# Altium PCB core.PcbDoc (part 3 of 4)
Units mil, origin at the board's own origin, x right, y up, seen from the top; angles counter-clockwise.
Board outline 2844.68 x 1781.68 mil, 4 copper layers (Top Layer 1, Signal Layer 1, Signal Layer 2, Bottom Layer 1), stack 23.756 mil thick; 133 components, 210 nets, 844 pads, 433 vias.
Unrouted connection lines stored in the file: 3.
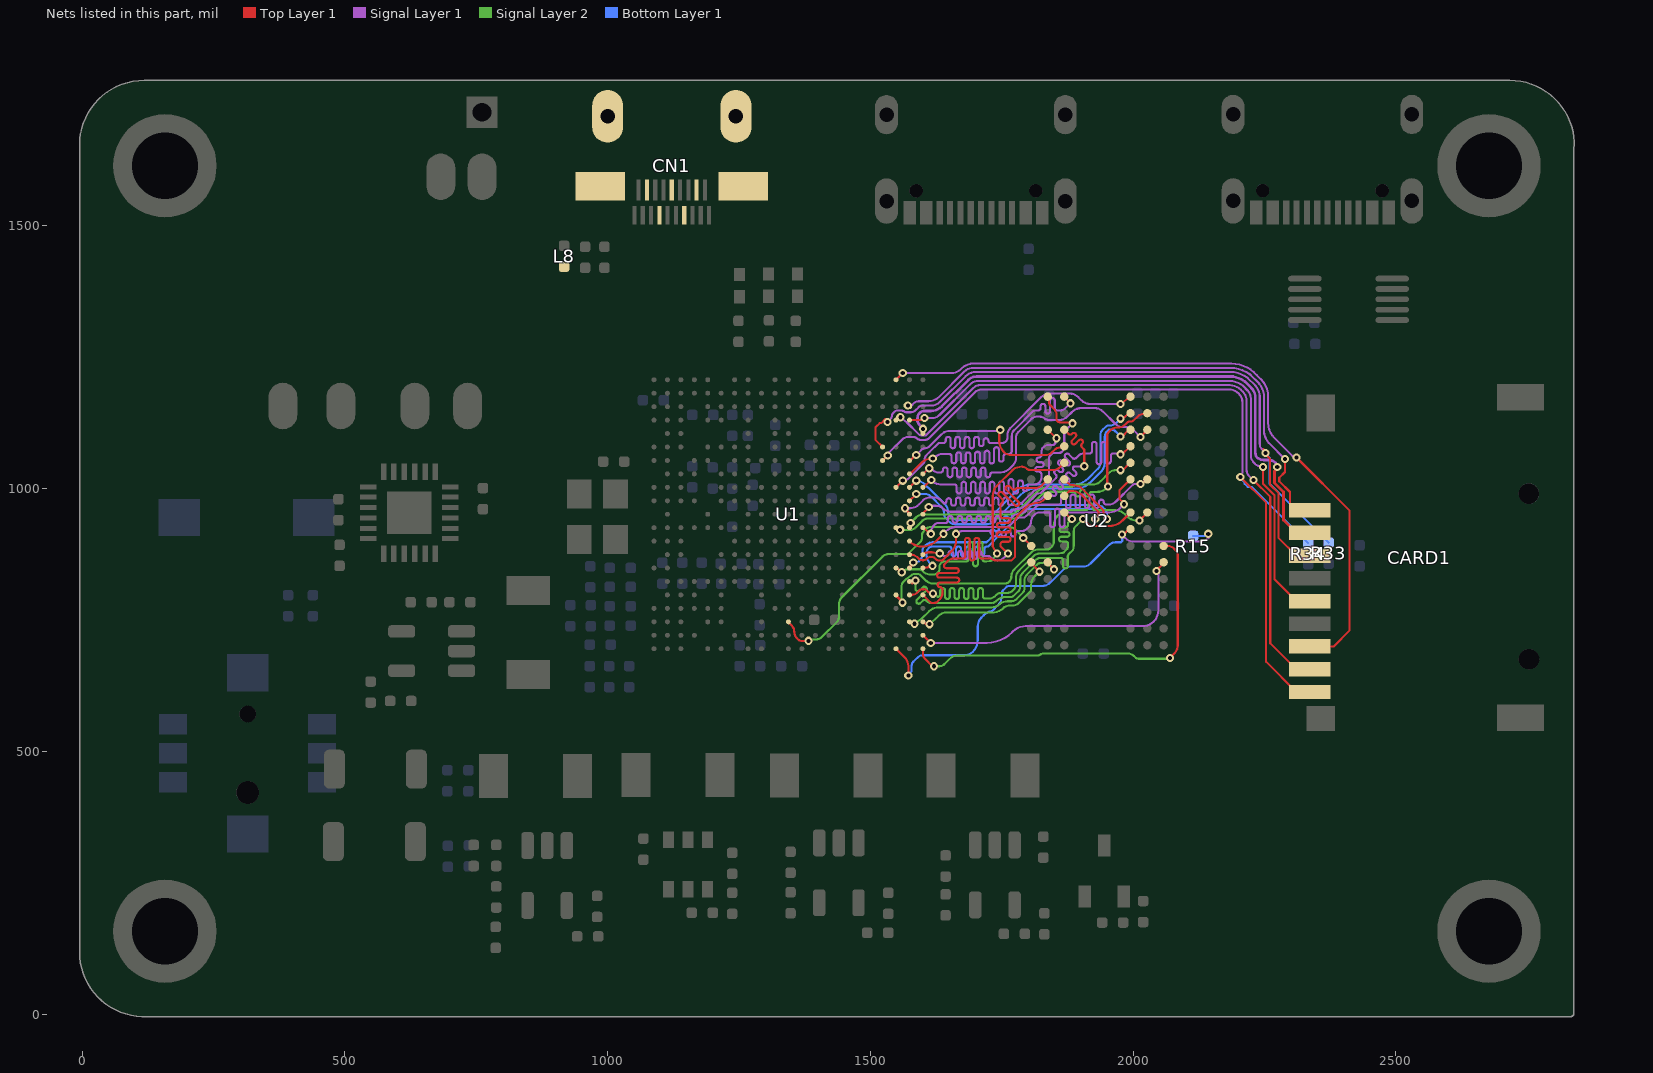
[diagram p5: the nets of this part, all layers, seen from the top]

## Via types
v1: diameter 15.75, hole 7.87, Top Layer 1 to Bottom Layer 1, tented both sides, 428 vias
v2: diameter 15.75, hole 7.87, Top Layer 1 to Bottom Layer 1, 4 vias
v3: diameter 15.75, hole 7.87, Signal Layer 1 to Signal Layer 2, tented both sides, 1 vias

## Nets (pads, with @x,y where several pads share a name; then routed paths per layer and width w, separated by ;. In a path a pad name is that pad's centre, name@x,y a point inside that pad or via, vN(x,y) a via of type N, cw(c..) or ccw(c..) an arc to the next point about the centre after c; other vN are vias at no path point) (continued)
SCK_P: R15.1 U1.AA19 U2.J7 | length 854
  Top Layer 1 w4: U1.AA19@1548.77,695.11 1565.43,678.45 cw(c1549.15,662.18) 1572.17,662.52 cw(c1549.15,662.18) 1572.17,662.18 v1(1572.31,644.18) ; v1(1978.66,912.32) 1981.67,912.32 1992,922.65 U2.J7@1995,922.65
  Signal Layer 1 w4: v1(1978.66,912.32) 1985.51,905.47 ccw(c2001.14,921.1) 2001.14,899 2127.16,899 ccw(c2127.16,922.11) 2143.5,905.77 2143.5,913.15 v1(2143,913.65)
  Bottom Layer 1 w4: v1(1572.31,644.18) cw(c1576.31,644.19) 1573.48,647.01 1578.56,652.09 1578.56,662.84 cw(c1589.03,662.84) 1581.62,670.25 1589.38,678 cw(c1600.83,666.55) 1600.83,682.75 1679.57,682.75 ccw(c1679.57,704.14) 1694.7,689.01 ccw(c1671.51,712.2) 1704.31,712.2 1704.31,737.84 cw(c1727.16,737.84) 1711,754 1715.81,758.81 cw(c1738,736.62) 1725.65,765.47 ccw(c1725.65,777.2) 1732.18,767.46 ccw(c1725.65,777.2) 1733.94,768.9 1742.62,777.58 ccw(c1724.58,795.62) 1750.09,795.62 ccw(c1746.09,795.62) 1750.09,795.7 1750,799.83 cw(c1759.35,799.83) 1750.29,802.15 cw(c1759.35,799.83) 1750.71,803.4 cw(c1759.35,799.83) 1752.73,806.43 1759.54,813.24 cw(c1764.08,806.65) 1764.08,814.65 1827.27,814.65 ccw(c1827.27,836.23) 1842.53,820.97 1865.83,844.28 cw(c1883.64,826.47) 1883.64,851.65 1905.1,851.65 ccw(c1905.1,871.26) 1918.96,857.4 1954.23,892.67 ; 1954.25,892.68 cw(c1966.29,880.6) 1966.29,897.66 1976.99,897.66 1979.33,900 1979.33,911.65 v1(1978.66,912.32) ; R15.1@2114,909.65 2135.82,909.65 2139.82,913.65 v1(2143,913.65)
SCKE0: U1.AA21 U2.K9 | length 745.1
  Top Layer 1 w4: U1.AA21@1599.95,695.11 1599.95,685.66 ccw(c1613.9,685.66) 1604.04,675.8 1617.96,661.87 v1(1621,661.87) ; U2.K9@2058,890.65 2066.11,890.65 cw(c2066.11,874.02) 2077.87,885.78 2081.55,882.11 cw(c2073.52,874.08) 2084.87,874.08 2084.87,701.15 cw(c2064.06,701.15) 2078.79,686.44 v1(2070,677.65)
  Signal Layer 2 w4: v1(1621,661.87) 1631.56,661.84 ccw(c1631.56,674.67) 1640.62,665.59 1650.9,675.86 cw(c1666.02,660.74) 1666.02,682.13 1817.35,682.13 ccw(c1817.35,694.92) 1825.88,685.38 ; 1822.02,683.01 cw(c1828.94,676.09) 1825.88,685.38 ; v1(2070,677.65) 2068.47,676.13 2010.2,676.13 cw(c2010.2,684.66) 2004.17,678.63 2001.67,681.13 ccw(c1990.2,669.66) 1990.2,685.87 1828.94,685.87 ccw(c1828.94,676.09) 1825.88,685.38
SCKE1: U1.Y21 U2.L9 | length 573.7
  Top Layer 1 w4: U1.Y21@1599.95,720.7 1600.35,720.7 1603.69,717.36 v1(1614.96,706.19) ; v1(2044.5,843) 2044.5,844.58 2058,858.08 U2.L9@2058,859.65
  Signal Layer 1 w4: v1(1614.96,706.19) 1630.79,706.36 ; 1630.83,706.36 1721.38,706.36 ccw(c1721.38,774.85) 1769.8,726.4 1771.74,728.35 cw(c1795.35,704.74) 1795.35,738.13 2018.08,738.13 ccw(c2018.08,768.05) 2039.24,746.89 ccw(c2018.08,768.05) 2048,768.05 v1@2048,839.65
SCS0: U1.W20 U2.L2 | length 357.1
  Top Layer 1 w4: U1.W20@1574.36,746.29 1575.84,746.29 v1@1578.95,743.18 ; v1@1578.98,743.14 1583.4,742.34 v1(1583.79,742.51) ; U2.L2@1837.51,859.65 1837.51,858.86 1849.47,846.91 v1(1849.47,846.12)
  Signal Layer 2 w4: v1(1583.79,742.51) 1597.06,751.74 1611.83,766.51 cw(c1629.69,748.66) 1629.69,773.91 1731.34,773.91 ccw(c1731.34,795.14) 1746.2,779.97 1746.36,780.13 cw(c1754.53,773.51) 1750.02,783.01 cw(c1760.61,760.78) 1760.61,785.4 ; 1760.65,785.4 1768.45,785.4 ccw(c1768.45,798.2) 1777.49,789.14 1789.83,801.49 ccw(c1781.8,809.49) 1793.14,809.49 1793.14,825.03 cw(c1808.59,825.03) 1797.65,835.94 1816.69,854.97 cw(c1824.85,846.81) 1824.85,858.35 1829.64,858.35 cw(c1829.64,842.7) 1840.71,853.77 1848.36,846.12 v1(1849.47,846.12)
SCS1: U1.W21 U2.L1 | length 295.7
  Top Layer 1 w4: U1.W21@1599.95,746.29 1601.43,746.29 1605.45,742.27 v1(1612.41,741.87) ; U2.L1@1806.02,859.65 1806.02,857.59 v1(1821.76,841.84)
  Signal Layer 2 w4: v1(1612.41,741.87) 1624.41,752.32 1630.05,757.96 ; 1630.06,757.98 cw(c1644.62,743.38) 1644.62,764 1730.68,764 ; 1730.72,764 ccw(c1730.72,799.47) 1745,767 ccw(c1733.44,793.29) 1754.34,773.59 cw(c1757.24,770.83) 1755.01,774.16 cw(c1765.67,758.26) 1765.67,777.4 1770.68,777.4 ccw(c1770.68,794.46) 1782.74,782.39 1803.5,803.15 ccw(c1797.45,809.19) 1806,809.19 1806,817 cw(c1827.91,817) 1812.42,832.5 v1(1821.76,841.84)
SDC0-CLK: CARD1.5 U1.D20 | length 1145.5
  Top Layer 1 w4: U1.D20@1574.36,1130.15 1595.87,1130.15 1599.85,1134.13 v1(1603.03,1134.13) ; v1(2247,1040.87) 2247,1009.31 2269,987.31 2269,827.09 2310.22,785.87 CARD1.5@2335.81,785.87
  Signal Layer 1 w4: v1(1603.03,1134.13) 1617.79,1134.13 ccw(c1617.79,1153.58) 1631.54,1139.82 ; 1631.55,1139.82 1690.21,1198.49 cw(c1705.15,1183.47) 1705.15,1204.65 2186.61,1204.65 2189.13,1204.31 cw(c2184.07,1167.1) 2205.56,1197.89 2208.28,1196 2217.72,1186.56 cw(c2202.82,1171.56) 2217.77,1186.51 ; 2217.79,1186.48 cw(c2202.82,1171.56) 2223.96,1171.56 2223.96,1162.08 2223.96,1061.67 ccw(c2237.67,1061.67) 2226.19,1054.18 2228.52,1050.6 ccw(c2231.87,1052.78) 2229.01,1049.99 ; 2229.02,1049.98 2231.85,1047.15 ccw(c2247,1062.3) v1(2247,1040.87)
SDC0-CMD: CARD1.3 R33.2 U1.F18 | length 1426.1
  Top Layer 1 w4: U1.F18@1523.18,1078.97 1510,1092.15 1510,1117 1517.47,1124.47 1520.41,1124.47 v1@1528.58,1132.64 ; 2248,1074.75 2251.91,1070.84 v1(2251.91,1067.66) 2251.91,1065.17 2260.48,1056.61 2260.48,1007.15 2277,990.63 2277,905.63 2310.22,872.41 CARD1.3@2335.81,872.41
  Signal Layer 1 w4: v1(1532.52,1126.77) 1538.69,1132.94 ccw(c1531.96,1139.68) 1541.12,1137.07 ccw(c1531.96,1139.68) 1541.48,1139.68 cw(c1546.9,1139.68) 1543.07,1143.51 1544.87,1145.31 ; 1544.88,1145.32 cw(c1552.9,1137.28) 1552.9,1148.63 1557.6,1148.63 cw(c1557.6,1136.82) 1564.87,1146.13 ; 1564.9,1146.11 ccw(c1567.34,1149.28) 1566.94,1145.3 1567.83,1145.2 ccw(c1568.29,1149.17) 1568.29,1145.17 1577.53,1145.17 ccw(c1577.53,1156.14) 1585.29,1148.38 1591.77,1154.87 ; 1591.77,1154.87 cw(c1599.33,1147.3) 1599.33,1158 1616.31,1158 ccw(c1616.31,1180.5) 1632.2,1164.57 1681.17,1213.54 ; 1681.19,1213.56 cw(c1700.85,1193.85) 1700.85,1221.69 2186.85,1221.69 cw(c2186.79,1173.21) 2191.73,1221.44 2199.46,1219.53 2201.7,1218.77 cw(c2184.07,1167.1) 2206.28,1216.97 2208.1,1216.16 2210.67,1214.93 2215.6,1212.2 cw(c2186.79,1173.21) 2218.43,1209.94 2232.08,1196.3 cw(c2210.1,1174.57) 2233.43,1194.84 2235.01,1192.53 cw(c2206.63,1173.14) 2240.41,1179.48 ; 2240.42,1179.44 2240.92,1176.74 cw(c2210.1,1174.57) 2241,1174.68 2241,1085.17 ccw(c2256.92,1085.17) 2245.65,1073.92 ; 2245.66,1073.91 v1(2251.91,1067.66)
  Bottom Layer 1 w4: v1(2251.91,1067.66) 2251.91,1066.09 2260,1058 2260,1009 R33.2@2372,897
SDC0-D0: CARD1.7 U1.A19 | length 1350.2
  Top Layer 1 w4: U1.A19@1548.77,1206.92 v1(1561.57,1219.72) ; v1(2311,1059) 2412,958 2412,730 2381.46,699.46 CARD1.7@2335.81,699.46
  Signal Layer 1 w4: v1(1561.57,1219.72) 1654.69,1219.72 ccw(c1654.69,1243.93) 1671.79,1226.79 1673.71,1228.71 cw(c1695.4,1207.01) 1695.4,1237.69 2186.75,1237.69 ; 2186.79,1237.69 cw(c2186.79,1173.21) 2235.17,1215.83 ccw(c2238.14,1218.52) 2235.28,1215.72 2243.13,1207.87 cw(c2210.1,1174.57) 2257,1174.57 ; 2257,1174.53 2257,1124.62 ccw(c2297.12,1124.62) 2268.75,1096.25 2303.75,1061.25 2308.75,1061.25 v1(2311,1059)
SDC0-D1: CARD1.8 U1.D19 | length 1312.2
  Top Layer 1 w4: U1.D19@1548.77,1130.15 1550.16,1130.15 1554.37,1134.35 cw(c1557.2,1131.52) v1(1557.02,1135.52) ; v1(2229,1016) 2261,984 2261,705.45 2310.22,656.23 CARD1.8@2335.81,656.23
  Signal Layer 1 w4: v1(1557.02,1135.52) 1569.2,1125.96 cw(c1566.74,1122.81) 1569.58,1125.63 1590.83,1104.38 ccw(c1599.93,1113.48) 1599.93,1100.61 1603.61,1100.61 ccw(c1603.61,1104.61) 1606.43,1101.78 1696.04,1191.38 cw(c1708.76,1178.66) 1708.76,1196.65 2184.07,1196.65 cw(c2184.07,1167.1) 2204.95,1188.02 2208.69,1184.27 cw(c2191.15,1166.72) 2215.96,1166.72 2215.96,1035.58 ccw(c2233.73,1035.58) 2221.16,1023.01 2228.18,1016 v1(2229,1016)
SDC0-D2: CARD1.1 U1.C20 | length 1011.1
  Top Layer 1 w4: v1(1571.28,1158.05) 1573.59,1155.74 U1.C20@1574.36,1155.74 ; v1(2289,1056) 2289,1031.41 2278,1020.41 2278,1013.72 2298.44,993.29 2298.44,970.4 2310.22,958.62 CARD1.1@2335.81,958.62
  Signal Layer 1 w4: v1(1571.28,1158.05) 1578.37,1158.05 1582.35,1162.02 cw(c1591.95,1152.42) 1591.95,1166 1610.41,1166 ccw(c1610.41,1194.74) 1630.73,1174.42 1678.89,1222.58 cw(c1696.08,1205.37) 1696.08,1229.69 2186.73,1229.69 cw(c2186.79,1173.21) 2193.13,1229.34 2200.78,1227.53 2203.54,1226.77 2207.98,1224.97 2212.74,1222.93 2215.36,1221.56 2219.91,1218.96 cw(c2186.79,1173.21) 2223.88,1215.8 2237.73,1201.96 cw(c2210.1,1174.57) 2240.05,1199.4 2243.01,1195 2244.13,1192.85 ; 2244.15,1192.81 cw(c2206.63,1173.14) 2247.09,1185.7 ; 2247.11,1185.66 2247.81,1183.39 2248.83,1178.16 cw(c2210.1,1174.57) 2249,1174.66 2249,1109.76 ccw(c2282.21,1109.76) 2258.71,1086.29 ; 2258.73,1086.27 v1(2289,1056)
SDC0-D3: CARD1.2 U1.E21 | length 1060.3
  Top Layer 1 w4: U1.E21@1599.94,1104.57 v1(1599.93,1113.48)
  Top Layer 1 w5.04: v1(2274.13,1040.87) 2274.13,1037.98 2269,1032.85 2269,1010.68 2286,993.68 2286,939.87 2310.29,915.58 CARD1.2@2335.88,915.58
  Signal Layer 1 w5.04: 1593.43,1143.47 ccw(c1602.64,1134.29) 1589.64,1134.29 1589.64,1129.65 ccw(c1600.83,1129.65) 1592.91,1121.74 1599.93,1114.72 v1(1599.93,1113.48) ; 1593.45,1143.48 1593.56,1143.6 cw(c1603.03,1134.13) 1603.03,1147.52 1615.11,1147.52 ccw(c1615.11,1176.69) 1635.73,1156.05 1686.51,1206.83 ; 1686.53,1206.85 cw(c1701.82,1191.53) 1701.82,1213.17 2186.88,1213.17 cw(c2186.79,1173.21) 2190.3,1213.02 2195.11,1211.83 cw(c2184.07,1167.1) 2205.95,1207.64 2208.24,1206.41 2212.64,1203.68 2224.94,1191.39 cw(c2206.63,1173.14) 2232.48,1173.14 2232.48,1173.08 2232.48,1069.62 ccw(c2253.02,1069.62) 2235.03,1059.71 ccw(c2248.17,1072.86) 2248.17,1054.27 2257.96,1054.27 cw(c2257.96,1036.15) 2270.76,1048.98 ; 2270.78,1048.96 cw(c2262.69,1040.87) 2272.82,1046.18 cw(c2262.69,1040.87) v1(2274.13,1040.87)
SDC0-DET: CARD1.9 R34.2 U1.G18 | length 1564.6
  Top Layer 1 w4: U1.G18@1523.18,1053.38 1523.28,1053.38 1532.9,1063 v1(1533,1063) ; v1(2204,1022) 2253,973 2253,669.98 2310.21,612.77 CARD1.9@2335.8,612.77
  Signal Layer 1 w4: v1(1533,1063) 1533,1065.89 1560.48,1093.37 cw(c1571.49,1082.33) 1571.49,1097.92 1582.21,1097.92 cw(c1582.21,1088.85) 1588.62,1095.27 ; 1588.63,1095.27 ccw(c1595.04,1101.68) 1595.04,1092.61 1604.51,1092.61 ccw(c1604.51,1102.44) 1611.45,1095.49 1699.6,1183.63 cw(c1711.72,1171.51) 1711.72,1188.65 2182.01,1188.65 cw(c2182.01,1162.12) 2200.75,1180.9 2200.96,1180.68 cw(c2184.22,1163.85) 2207.96,1163.84 ; v1(2204,1022) 2204,1025.18 2207.96,1029.14 2207.96,1163.81
  Bottom Layer 1 w4: v1(2204,1022) 2204,1018.82 2212.12,1010.7 2212.12,1008.88 2218,1003 2226,1003 R34.2@2333,896
SDQ0: U1.N20 U2.F8 | length 689.9
  Top Layer 1 w4: U1.N20@1574.36,899.83 U1.N20@1575.31,898.89 ; U1.N20@1575.33,898.87 ccw(c1597.91,921.48) 1597.91,889.53 ccw(c1597.91,930.34) 1626.77,901.48 v1(1639,913.72) ; v1(2014,1008.65) 2016.13,1008.65 2024.87,1017.39 U2.F8@2027,1017.39
  Signal Layer 1 w4: v1(1639,913.72) 1643.8,918.52 cw(c1663.44,898.88) 1663.44,926.65 ccw(c1663.44,930.65) 1663.49,926.65 1674.96,926.84 cw(c1675.38,901.34) 1675.38,926.84 1759.29,926.84 ccw(c1759.29,935.42) 1765.35,929.35 1777.07,941.07 cw(c1785.73,932.41) 1785.5,944.65 ccw(c1785.43,948.65) 1785.92,944.68 1786.69,944.77 cw(c1788.14,931.98) 1789.45,944.78 cw(c1788.14,931.98) 1789.52,944.78 1790.26,944.7 ccw(c1790.69,948.68) 1790.63,944.68 1791.62,944.65 ccw(c1774.74,978.1) 1792.54,945.13 ccw(c1774.74,978.1) 1801.44,951.82 1813.54,963.92 ; 1813.56,963.94 cw(c1827.38,950.08) 1827.38,969.65 1856.53,969.65 1858.53,969.65 ccw(c1858.53,974.15) 1863.03,974.15 1863.03,984.05 cw(c1867.53,984.05) 1872.03,984.05 1872.03,967.15 ccw(c1876.53,967.15) 1881.03,967.15 1881.03,984.05 cw(c1885.53,984.05) 1890.03,984.05 1890.03,967.18 ccw(c1894.53,967.18) 1899.03,967.18 1899.03,984.05 cw(c1903.53,984.05) 1908.03,984.05 1908.03,967.18 ccw(c1912.53,967.18) 1917.03,967.18 1917.03,984.05 cw(c1921.53,984.05) 1926.03,984.05 1926.03,967.51 ccw(c1930.53,967.51) 1935.03,967.51 1935.03,974.15 cw(c1939.53,974.15) 1944.03,974.15 ccw(c1948.53,974.15) 1948.53,969.65 1955.99,969.65 ; 1953.76,969.65 ccw(c1953.76,988.78) 1967.28,975.25 1998.05,1006.01 cw(c2004.42,999.64) 2004.42,1008.65 v1(2014,1008.65)
SDQ1: U1.P21 U2.F2 | length 693.2
  Top Layer 1 w4: U1.P21@1599.95,874.24 cw(c1610.6,863.6) 1601.11,875.29 cw(c1610.6,863.6) 1610.6,878.65 1616.2,878.65 cw(c1616.2,874.65) 1616.72,878.62 v1(1632.08,876.63) ; v1(1761.92,876.25) 1747.71,890.46 1747.71,894.22 cw(c1752.21,894.22) 1752.21,898.72 1762.37,898.72 ccw(c1762.37,903.22) 1762.37,907.72 1745.27,907.72 cw(c1745.27,912.22) 1745.27,916.72 1762.37,916.72 ccw(c1762.37,921.22) 1762.37,925.72 1745.27,925.72 cw(c1745.27,930.22) 1745.27,934.72 1762.37,934.72 ccw(c1762.37,939.22) 1762.37,943.72 1752.21,943.72 cw(c1752.21,948.22) 1747.71,948.22 1747.71,968.61 1747.71,970.36 1749.46,972.11 1750.87,973.53 ccw(c1747.69,976.71) 1750.87,979.89 1744.84,985.92 cw(c1748.02,989.1) 1744.84,992.28 cw(c1748.02,989.1) 1751.21,992.28 1775.57,967.92 ccw(c1778.75,971.11) 1781.93,967.92 ccw(c1778.75,971.11) 1781.93,974.29 1758.72,997.5 cw(c1761.9,1000.68) 1758.72,1003.87 cw(c1761.9,1000.68) 1765.08,1003.87 1769.96,998.98 ccw(c1773.15,1002.16) 1776.33,998.98 1778.35,1001 1795,1001 1813.66,1001 ccw(c1813.66,1019.01) 1826.38,1006.26 ; 1826.39,1006.28 U2.F2@1837.51,1017.39
  Signal Layer 1 w4: v1(1632.08,876.63) 1634.42,876.03 cw(c1633.43,872.16) 1636.26,874.98 1639.59,871.65 1642.31,871.65 1644.31,871.65 ccw(c1644.31,876.15) 1648.81,876.15 1648.81,876.6 cw(c1653.31,876.6) 1657.81,876.6 1657.81,870.15 ccw(c1662.31,870.15) 1666.81,870.15 1666.81,876.64 cw(c1671.31,876.64) 1675.81,876.64 1675.81,870.15 ccw(c1680.31,870.15) 1684.81,870.15 1684.81,876.66 cw(c1689.31,876.66) 1693.81,876.66 1693.81,870.15 ccw(c1698.31,870.15) 1702.81,870.15 1702.81,876.69 cw(c1707.31,876.69) 1711.81,876.69 1711.81,876.15 ccw(c1716.31,876.15) 1716.31,871.65 1723.24,871.65 1726.31,871.65 1729.5,868.47 ; 1721.81,871.65 cw(c1721.81,860.77) 1729.5,868.47 ; v1(1761.92,876.25) 1754.15,868.48 cw(c1741.82,880.81) 1741.82,863.37 cw(c1741.82,880.81) 1729.5,868.47
SDQ2: U1.P20 U2.F7 | length 683.9
  Top Layer 1 w4: U1.P20@1574.36,874.24 1575.28,874.24 cw(c1575.28,851.29) 1578.98,873.94 cw(c1575.28,851.29) 1591.5,867.53 ; 1591.51,867.52 1594.21,864.82 ccw(c1597.01,867.67) 1597.01,863.67 1597.87,863.67 cw(c1597.84,859.67) 1598.39,863.63 ccw(c1599.95,874.24) 1599.95,863.52 ccw(c1599.95,874.24) 1601.38,863.61 cw(c1601.9,859.65) 1601.68,863.64 ccw(c1601.29,871.71) 1607,866 1607.46,866.46 cw(c1616,857.93) 1616,870 cw(c1616,860.34) 1622.83,867.17 1624.59,865.41 ccw(c1629.73,870.56) 1629.73,863.28 1637.24,863.28 1654.28,880.31 ccw(c1633.21,901.38) 1663,901.38 v1(1663,913.72) ; v1(1982.72,970.03) 1982.72,971.71 1973.75,980.68 1973.75,996.15 U2.F7@1995,1017.39
  Signal Layer 1 w4: v1(1663,913.72) cw(c1675.38,901.34) 1675.38,918.84 1697.7,918.84 1726.7,918.84 cw(c1726.7,914.34) 1731.2,914.34 1731.2,913.34 ccw(c1735.7,913.34) 1740.2,913.34 1740.2,914.34 cw(c1744.7,914.34) 1749.2,914.34 1749.2,913.34 ccw(c1753.7,913.34) 1758.2,913.34 1758.2,914.34 cw(c1762.7,914.34) 1767.2,914.34 1767.2,913.34 ccw(c1771.7,913.34) 1776.2,913.34 1776.2,914.34 cw(c1780.7,914.34) 1780.7,918.84 1785.44,918.84 1786.81,918.84 ccw(c1786.81,935) 1788.25,918.91 ccw(c1786.81,935) 1791.89,919.66 ccw(c1788.14,931.98) 1794.72,920.91 ccw(c1786.81,935) 1798.22,923.56 ; 1798.24,923.57 1802.45,927.78 ccw(c1795.48,934.75) 1805.33,934.75 1805.33,935.67 cw(c1823.51,935.67) 1810.66,948.52 1812.79,950.65 cw(c1822.45,941) 1813.59,951.39 cw(c1822.45,941) 1822.45,954.65 1826.75,954.65 1837.75,954.65 cw(c1837.75,950.15) 1842.25,950.15 1842.25,930.85 ccw(c1846.75,930.85) 1851.25,930.85 1851.25,957.15 cw(c1855.75,957.15) 1860.25,957.15 1860.25,930.98 ccw(c1864.75,930.98) 1869.25,930.98 1869.25,950.15 cw(c1873.75,950.15) 1873.75,954.65 1884.67,954.65 ; 1884.68,954.65 1904.62,954.68 ; 1904.65,954.68 1955.2,954.65 ccw(c1955.21,983.96) 1975.93,963.24 v1(1982.72,970.03)
SDQ3: U1.U21 U2.G2 | length 698.8
  Top Layer 1 w4: U1.U21@1599.95,797.47 1612.79,784.63 ccw(c1619.38,791.22) 1619.38,781.91 ccw(c1619.38,794.78) 1628.47,785.67 1632.28,789.48 ccw(c1620.9,800.87) 1637,800.87 ; 1637,797.81 1637,800.87 ; 1663.36,866.53 1660.47,866.53 ; U2.G2@1837.51,985.9 1829.1,977.48 1828.97,977.48 cw(c1813.61,995.8) 1813.61,971.9 ccw(c1813.61,948) 1796.71,964.9 1781.95,950.13 ccw(c1799.03,933.05) 1774.87,933.05 1774.87,869.35 1768.9,863.37 1737.54,863.37 cw(c1737.54,874.15) 1735.16,863.64 cw(c1737.54,874.15) 1729.92,866.53 1722.6,866.53 1711.6,866.53 cw(c1711.6,871.03) 1707.1,871.03 1707.1,901.54 ccw(c1702.6,901.54) 1698.1,901.54 1698.1,867.42 cw(c1693.6,867.42) 1689.1,867.42 1689.1,901.54 ccw(c1684.6,901.54) 1680.1,901.54 1680.1,871.03 cw(c1675.6,871.03) 1675.6,866.53 1660.47,866.53 ; 1637,800.87 1637,807.79 ccw(c1632.5,807.79) 1632.5,812.29 cw(c1632.5,816.79) 1632.5,821.29 1664.62,821.29 ccw(c1664.62,825.79) 1664.62,830.29 1631.5,830.29 cw(c1631.5,834.79) 1631.5,839.29 1663.63,839.29 ccw(c1663.63,843.79) 1663.63,848.29 1644.5,848.29 cw(c1644.5,852.79) 1641.31,855.97 1644.63,859.29 1648.25,862.91 cw(c1656.99,854.16) 1656.99,866.53 1660.47,866.53
SDQ4: U1.R19 U2.E3 | length 656.8
  Top Layer 1 w4: U1.R19@1548.77,848.65 1550.25,848.65 1558.17,840.73 v1(1559.78,840.73) ; v1(1740.78,876.36) 1733.35,888.6 cw(c1736.77,890.68) 1732.77,890.68 1732.77,986.08 cw(c1760.15,986.08) 1740.77,1005.43 1769.46,1034.11 cw(c1787.36,1016.21) 1787.36,1041.53 cw(c1787.36,1026.51) 1797.98,1037.13 cw(c1797.17,1033.21) 1799.12,1036.7 ccw(c1806.02,1048.89) 1806.02,1034.89 ccw(c1806.02,1048.89) 1806.27,1034.89 1813.9,1034.89 cw(c1813.9,1030.89) 1814.03,1034.89 1846.91,1034.89 ccw(c1846.91,1054.45) 1860.73,1040.61 U2.E3@1869.01,1048.89
  Signal Layer 2 w4: v1(1559.78,840.73) 1560.42,841.37 cw(c1572.55,829.24) 1567.11,845.51 cw(c1572.55,829.24) 1572.55,846.39 1581.43,846.34 ccw(c1581.51,859.21) 1581.65,846.34 1586.85,846.39 ; 1586.89,846.39 1594.41,846.39 cw(c1594.41,842.94) 1596.85,845.38 1599.77,842.46 ccw(c1615.36,858.04) 1615.36,836 1619.76,836 ccw(c1619.76,846.24) 1627,839 1629.59,841.59 ccw(c1625.59,845.59) 1631.24,845.59 1631.24,850.02 cw(c1643.14,850.02) 1634.72,858.43 ; 1634.73,858.43 cw(c1640.93,852.21) 1636,859.48 cw(c1640.93,852.21) 1640.93,861 1642.42,861 cw(c1642.52,857) 1642.52,861 1656.96,861 cw(c1657.42,823.85) 1657.43,861 1660.96,861 1662.96,861 1682,861 ccw(c1682,865.5) 1686.5,865.5 1686.5,893.88 cw(c1691,893.88) 1695.5,893.88 1695.5,856.5 ccw(c1700,856.5) 1704.5,856.5 1704.5,893.88 cw(c1709,893.88) 1713.5,893.88 1713.5,865.5 ccw(c1718,865.5) 1718,861 1720.73,861 1727,861.85 ccw(c1720.76,884.36) 1729,862.5 ccw(c1720.76,884.36) 1730.97,863.35 ccw(c1729.24,866.96) 1732.5,864.65 v1(1740.78,876.36)
SDQ5: U1.T20 U2.H7 | length 658.2
  Top Layer 1 w4: U1.T20@1574.36,823.06 1575.84,823.06 1579.9,818.99 1585.67,824.76 v1(1585.85,824.76) ; v1(1904.64,941.81) 1915.54,931.56 ccw(c1918.28,934.47) 1916.23,931.03 1916.28,931 ccw(c1924.96,945.85) 1924.96,928.65 1954.48,928.65 ccw(c1954.48,964.32) 1979.69,939.09 U2.H7@1995,954.4
  Signal Layer 2 w4: v1(1585.85,824.76) 1585.85,822.7 1585.85,807.05 1587.12,805.78 ccw(c1590.3,808.97) 1593.48,805.79 1599.56,811.86 cw(c1602.74,808.68) 1605.93,811.86 cw(c1602.74,808.68) 1605.93,805.5 1588.75,788.32 ccw(c1591.93,785.14) 1588.75,781.96 ccw(c1591.93,785.14) 1595.11,781.96 1599.85,786.69 cw(c1603.03,783.51) 1606.21,786.69 1607.62,785.28 ; 1607.64,785.26 ccw(c1615.77,793.42) 1615.77,781.91 1729.31,781.91 ccw(c1729.31,797.82) 1740.56,786.56 1741.2,787.2 cw(c1756.17,772.23) 1752.34,793.05 cw(c1756.17,772.23) 1756.17,793.4 1766.64,793.4 ccw(c1766.64,802.57) 1773.11,796.07 1781.4,804.36 ccw(c1772.35,813.41) 1785.14,813.41 1785.14,827.47 cw(c1802.68,827.47) 1790.26,839.86 ; 1790.28,839.88 1814.01,863.61 cw(c1824.61,853.01) 1824.61,868 1843.54,868 1862.05,868 cw(c1862.05,863.5) 1866.55,863.5 1866.55,852.5 ccw(c1871.05,852.5) 1875.55,852.5 1875.55,869.94 cw(c1883.59,869.94) 1877.91,875.62 1885.74,883.45 ccw(c1865.14,890.76) 1887,890.81 ; 1887,890.84 1887,918.9 cw(c1900.35,918.9) 1887.8,923.45 cw(c1900.35,918.9) 1890.9,928.33 cw(c1893.75,925.52) 1890.95,928.38 1893.31,930.69 v1(1904.64,941.81)